# Allegro board EVK2_BM92T70-DEVICE-EVK-101_BRD_REV05_2016-03-18.brd (continued)
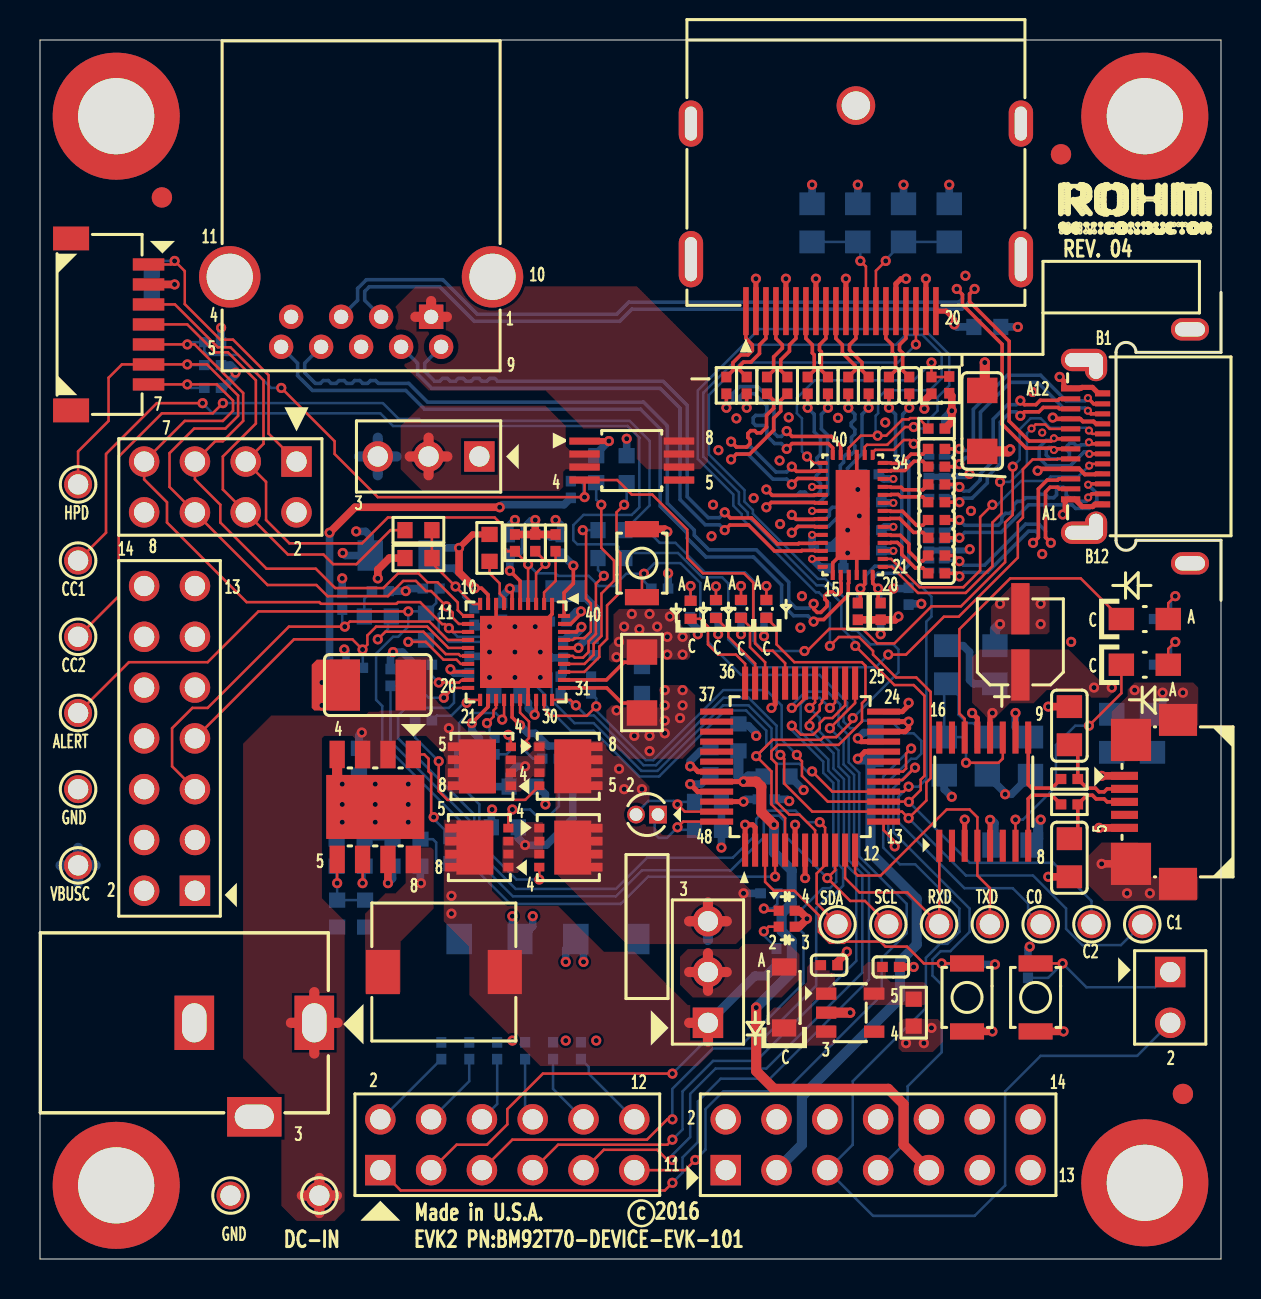
[diagram p0: board, top side]
## Routing (per net, layer and track width the routed paths; a pad name or vN(x,y) marks a point on that pad's centre or on a via; arc(x,y) is an arc through that point) (continued)
D-: length 50
  TOP w0.178: v2(52.47,40.26) 52.48,40.26 U23.B7 ; U23.A7 50.73,41.01 v2(50.7,41.04) 50.56,40.9 49.46,40.9 48.46,41.9 48.46,45.89 46.48,47.87 46.48,48.26 v1(46.73,48.51)
  BOTTOM w0.178: v2(52.47,40.26) 52.37,40.36 52.21,40.36 51.51,39.66 50.36,39.66 49.96,40.06 49.96,40.59 50.31,40.94 50.6,40.94 v2(50.7,41.04) ; v1(46.73,48.51) 46.48,48.26 46.48,47.88 46.1,47.5 29.59,47.5 28.98,46.89 21.72,46.89 20,48.62 16.46,48.62 16.24,48.39 16.24,47.94 U28.2
DEBUG_VBUS_5V: length 5.1
  TOP w0.254: U5.12 47.51,27.17
  BOTTOM w0.381: R66.2 46.16,30.67 46.48,30.35 46.48,28.96 46.67,28.77 C41.2
  vias: v1(47.62,27.3) v1(52.7,28.57) v1(53.59,28.57)
HPDIN: length 110.5
  TOP w0.127: U1.12 20.95,31.76 20.64,32.07 20.64,32.32 v1(20.32,32.64) 19.56,33.4 19.3,33.4 18.8,33.91 18.16,33.91 17.4,33.15 14.38,33.15 13.82,33.71 11.38,33.71 J13.6 6.48,38.61 6.48,40.3 7.71,41.53 9.27,41.53 9.91,42.16 9.91,43.18 8.35,44.74 v1(7.37,44.74) EEPROM-IF.6 4.1,44.74 3.43,44.07 3.43,41.91 1.91,40.39 TP13.1 ; U6.5 37.26,22.05 36.58,22.73 36.58,24.38 v1(35.81,25.15) 36.63,25.96 39.04,25.96 39.18,26.1 39.81,26.1 40.64,26.92 v1(40.64,27.05) ; U27.18 v1(43.8,45.74)
  BOTTOM w0.127: v1(7.37,44.74) 7.4,44.7 R16.2 ; v1(20.32,32.64) 19.94,32.26 19.94,31.37 20.45,30.86 22.73,30.86 23.11,30.48 23.11,30.12 23.52,29.72 24,29.72 24.38,29.34 24.38,29.08 25.27,28.19 25.27,27.69 26.54,26.42 27.68,26.42 29.97,24.13 30.96,24.13 34.26,27.43 35.31,27.43 36.32,26.42 36.32,25.65 v1(35.81,25.15) ; v1(43.8,45.74) 42.89,44.83 35.07,44.83 33.45,43.2 33.45,40.23 35.22,38.46 35.22,37.88 35.65,37.45 35.65,37.27 38.91,34.01 39.27,34.01 40.35,32.93 40.35,31.66 40.59,31.42 40.84,31.42 41.53,30.73 42.67,30.73 42.93,30.48 42.93,29.34 v1(40.64,27.05)
HSS_INPUT: length 3.8
  TOP w0.508: 18.49,40.13 J12.2 ; J12.2 19.43,39.19 ; J12.2 19.43,41.07 ; J12.2 20.37,40.13
RX1+: length 11.7
  TOP w0.178: v1(45.97,34.9) 45.69,35.18 C91.2 ; v1(50.55,35.81) 50.28,36.08 50.28,38.36 50.51,38.6 50.89,38.6 50.97,38.51 U23.A2
  BOTTOM w0.178: U26.4 45.94,34.93 v1(45.97,34.9) 46.18,34.69 47.23,34.69 49.29,36.75 49.94,36.75 50.28,36.41 50.28,36.08 v1(50.55,35.81)
RX1-: length 11.8
  TOP w0.178: v1(49.66,35.81) 49.92,36.08 49.92,38.51 50.36,38.95 50.89,38.95 50.95,39.01 U23.A3 ; C92.2 45.82,34.29 v1(45.97,34.14)
  BOTTOM w0.178: v1(49.66,35.81) 49.92,36.08 49.92,36.26 49.79,36.4 49.43,36.4 47.38,34.34 46.18,34.34 v1(45.97,34.14) 45.68,34.43 U26.5
RX2+: length 12.2
  TOP w0.178: v2(52.4,43.05) 52.69,42.76 U23.B2 ; C85.2 v1(45.97,40.51)
  BOTTOM w0.178: U25.1 45.58,40.12 v1(45.97,40.51) 46.05,40.44 46.49,40.44 46.67,40.62 46.67,42.49 48.37,44.2 50.03,44.2 51.32,42.91 52.26,42.91 v2(52.4,43.05)
RX2-: length 12.2
  TOP w0.178: v2(52.4,42.42) 52.55,42.26 U23.B3 ; v1(45.97,39.75) 45.85,39.62 C86.2
  BOTTOM w0.178: v2(52.4,42.42) 52.26,42.56 51.17,42.56 49.89,43.84 48.52,43.84 47.03,42.35 47.03,40.47 46.63,40.08 46.3,40.08 v1(45.97,39.75) 45.84,39.62 U25.2
RX+: length 39
  TOP w0.178: U24.16 40.04,33.82 40.06,33.79 40.06,33.35 39.94,33.23 39.76,33.23 39.63,33.36 39.44,33.36 39.25,33.17 39.25,32.99 39.36,32.88 39.36,32.65 39.04,32.33 38.86,32.33 38.68,32.51 v1(38.68,32.77)
  BOTTOM w0.178: U28.6 13.24,44.79 13.24,44.32 13.77,43.79 14.02,43.79 14.16,43.93 14.42,43.93 14.56,43.79 14.81,43.79 14.95,43.93 15.2,43.93 15.34,43.79 15.6,43.79 15.74,43.93 15.99,43.93 16.13,43.79 16.39,43.79 16.53,43.93 16.78,43.93 16.92,43.79 18.44,43.79 19.38,42.85 30.18,42.85 31.37,41.66 31.37,37.79 32.72,36.44 32.72,36.19 33.45,35.46 35.82,35.46 37.44,33.85 37.44,32.91 37.8,32.55 38.47,32.55 v1(38.68,32.77)
RX-: length 38.9
  TOP w0.178: U24.17 40.44,33.81 40.42,33.79 40.42,33.2 39.19,31.98 38.79,31.98 v1(38.68,31.88)
  BOTTOM w0.178: v1(38.68,31.88) 38.39,32.17 37.68,32.17 37.08,32.77 37.08,33.7 35.68,35.11 33.3,35.11 32.36,36.05 32.36,36.3 31.01,37.65 31.01,41.51 30.03,42.49 19.23,42.49 18.29,43.43 13.62,43.43 12.88,44.18 12.88,44.79 U28.5
TX1+: length 11
  TOP w0.178: U23.B11 52.59,38.26 v2(52.41,38.08) ; C89.2 v1(45.97,36.96)
  BOTTOM w0.178: U26.1 45.45,36.43 v1(45.97,36.96) 46.24,36.69 47.91,36.69 48.09,36.88 48.09,37.11 48.27,37.29 48.51,37.29 48.69,37.47 48.69,37.71 48.87,37.89 49.11,37.89 49.29,38.07 49.84,38.07 50.01,38.24 50.26,38.24 50.44,38.07 50.69,38.07 50.83,38.21 50.83,38.45 50.97,38.6 51.17,38.6 51.31,38.45 51.31,38.21 51.45,38.07 51.76,38.07 51.94,37.89 52.31,37.89 52.41,37.99 v2(52.41,38.08)
TX1-: length 11
  TOP w0.178: C90.2 v1(45.97,36.07) ; U23.B10 52.46,38.76 v2(52.41,38.72)
  BOTTOM w0.178: U26.2 45.84,35.93 v1(45.97,36.07) 46.24,36.33 48.06,36.33 49.44,37.71 51.61,37.71 51.79,37.53 52.46,37.53 52.85,37.92 52.85,38.28 v2(52.41,38.72)
TX2+: length 10.7
  TOP w0.178: U23.A11 50.98,43.01 50.91,42.94 50.02,42.94 49.8,42.72 49.23,42.72 v1(49.02,42.93) ; v1(45.97,38.61) 45.85,38.73 C87.2
  BOTTOM w0.178: v1(49.02,42.93) 48.82,42.72 48.39,42.72 47.66,42 47.66,39.91 47.02,39.26 47.02,38.96 46.46,38.4 46.18,38.4 v1(45.97,38.61) 45.97,38.62 U25.4
TX2-: length 10.7
  TOP w0.178: C88.2 v1(45.97,37.85) ; v1(49.02,42.16) 49.23,42.37 49.95,42.37 50.16,42.59 50.91,42.59 50.98,42.51 U23.A10
  BOTTOM w0.178: v1(49.02,42.16) 48.82,42.37 48.53,42.37 48.02,41.85 48.02,39.76 47.37,39.12 47.37,38.81 46.61,38.05 46.18,38.05 v1(45.97,37.85) 45.7,38.12 U25.5
TX+: length 28.4
  TOP w0.178: U24.11 38.73,35.81 38.71,35.79 37.94,35.79 37.92,35.76 36.88,35.76 35.58,37.06 34.52,37.06 v1(34.24,37.34)
  BOTTOM w0.178: U28.9 19.24,44.79 19.24,44.39 19.73,43.9 19.98,43.9 20.12,44.04 20.38,44.04 20.52,43.9 20.77,43.9 20.91,44.04 21.17,44.04 21.31,43.9 21.56,43.9 21.7,44.04 21.95,44.04 22.09,43.9 22.35,43.9 22.49,44.04 22.74,44.04 22.88,43.9 31.16,43.9 32.36,42.69 32.36,38.13 33.41,37.07 33.97,37.07 v1(34.24,37.34)
TX-: length 28.5
  TOP w0.178: U24.12 38.76,35.41 38.73,35.43 38.09,35.43 38.06,35.41 36.73,35.41 35.43,36.7 34.49,36.7 v1(34.24,36.45)
  BOTTOM w0.178: U28.8 18.88,44.79 18.88,44.24 19.58,43.54 31.01,43.54 32,42.55 32,37.98 33.27,36.72 33.97,36.72 v1(34.24,36.45)
TYPEC_VBUS: length 32
  TOP w0.178: U1.9 22.41,33.22 22.08,33.55 v1(21.74,33.55)
  TOP w0.203: U23.A9 52.02,42.01 52.15,41.88 52.68,41.88 52.8,41.76 U23.B4 ; U23.A4 51.97,39.51 52.25,39.24 52.75,39.24 52.78,39.26 U23.B9
  TOP w0.229: v1(49.89,39.42) 49.98,39.51 U23.A4 ; U23.A9 50.7,42.01 v1(50.64,42.08)
  TOP w0.305: v1(20.95,35.56) 21.63,36.23 R1.2
  TOP w0.381: v1(20.95,35.56) 20.95,34.33 v1(21.74,33.55)
  TOP w0.508: v1(48.51,40.49) 48.41,40.39 C84.1 ; J1.3 33.4,17.83 ; J1.3 32.46,16.89 ; J1.3 34.34,16.89
  L3_PWR w0.508: 21.97,39.19 J12.1 ; J12.1 21.03,40.13 ; J12.1 21.97,41.07 ; J12.1 22.91,40.13
  BOTTOM w0.381: v1(20.95,35.56) 19.94,35.56 C5.1 20.19,34.54 20.73,34.54 21.72,33.55 v1(21.74,33.55) ; v1(35.18,18.29) R155.1
  BOTTOM w0.508: 1.91,18.81 TP10.1 ; TP10.1 2.78,19.68 ; TP10.1 1.91,20.56 ; TP10.1 1.03,19.68 ; 33.4,15.95 J1.3 ; J1.3 33.4,17.83 ; J1.3 34.34,16.89 ; J1.3 32.46,16.89
  vias: v1(28.96,24.51) v1(29.21,23.5) v1(30.1,23.5)
USB3_VBUS: length 2.4
  TOP w0.508: U28.1 19.56,47.9 ; U28.1 18.77,47.12 ; U28.1 20.35,47.12
USB-PD_XRST: length 69.5
  TOP w0.127: v1(30.2,34.27) 30.1,34.17 SW1.1 ; v1(42.74,20.63) 42.74,20.89 42.18,21.44 U6.13 ; EEPROM-IF.3 6.75,47.74 8.89,45.59 9.52,45.59 11.18,43.94 11.18,40.77 10.29,39.88 11.3,38.86 11.3,36.96 12.47,35.79 16.1,35.79 17.4,37.08 22.73,37.08 23.24,36.58 23.24,35.52 23.37,35.39 R21.1 v1(24.41,34.74) U1.4
  BOTTOM w0.127: v1(30.2,34.27) 30.73,34.8 32.03,34.8 33.02,33.81 33.02,32 33.4,31.62 33.4,30.86 35.05,29.21 38.98,29.21 40.36,27.83 40.36,27.43 40.18,27.25 40.18,26.87 40.51,26.54 40.77,26.54 41.15,26.92 42.55,26.92 43.18,26.29 43.69,26.29 44.07,25.91 44.07,25.27 43.81,25.02 43.56,25.02 42.42,23.88 42.42,20.95 v1(42.74,20.63) ; v1(30.2,34.27) 29.32,34.27 28.7,33.66 27.94,33.66 27.43,34.16 25.91,34.16 25.78,34.29 24.85,34.29 v1(24.41,34.74) ; v1(30.2,34.27) 30.2,33.9 C14.2
USB_HSS: length 72.5
  TOP w0.127: EEPROM-IF.5 v1(7.37,45.74) 7.73,45.74 10.16,43.31 10.16,41.91 9.14,40.89 8.76,40.89 J13.5 7.75,38.99 9.02,37.72 9.02,36.83 11.33,34.52 13.79,34.52 14.76,33.55 17.17,33.55 17.91,34.29 18.92,34.29 19.37,33.84 19.88,33.84 20.89,32.83 20.89,32.45 21.18,32.16 U1.11 ; U6.32 37.26,29.8 36.64,30.42 36.12,30.42 35.76,30.78 35.76,31.76 35.66,31.85 35.66,33.83 35.2,34.29 33.15,34.29 32.36,35.07 32.36,36.48 30.61,38.23 29.59,38.23 28.86,38.95 U3.4 v1(27.23,38.1) 16.89,38.1 14.73,40.26 14.73,40.89 v1(12.06,43.56)
  BOTTOM w0.127: v1(12.06,43.56) 11.56,43.56 9.91,45.21 8.38,45.21 8.22,45.38 R15.2 7.48,45.85 v1(7.37,45.74) ; R45.2 27.01,38.9 27.18,38.73 27.18,38.15 v1(27.23,38.1)
VPP: length 26.8
  TOP w0.254: v1(40.89,25.02) 41.25,25.37 U6.20
  BOTTOM w0.508: J3.3 38.1,5.71 38.1,8.13 43,13.03 43,14.88 43.84,15.72 43.84,18.01 41.53,20.32 41.53,24.73 C31.2 40.93,24.98 v1(40.89,25.02)
N13969648: length 6.5
  TOP w0.127: U1.35 26.65,30.16 26.73,30.07 27.15,30.07 27.43,30.35 27.43,30.89 27.8,31.26 27.8,33.77 v1(28.19,34.16)
  BOTTOM w0.127: v1(28.19,34.16) 27.9,34.46 R102.1
N13969652: length 7.5
  TOP w0.127: v1(27.14,36.45) 27.3,36.28 27.3,33.02 27.54,32.78 27.54,31.37 27.22,31.05 26.73,31.05 26.64,30.96 U1.37
  BOTTOM w0.127: R101.1 v1(27.14,36.45)
N13969713: length 5.2
  TOP w0.178: U1.36 v1(26.92,30.56)
  BOTTOM w0.381: D1.2 26.49,33.18 27.17,33.18 27.81,32.54 27.81,31.15 C19.2 27.65,30.99 27.3,30.99 26.92,30.61 v1(26.92,30.56)
N13970852: length 11.1
  TOP w0.127: v1(28.07,37.72) 28.07,35.56 28.7,34.92 28.7,33.91 28.07,33.28 28.07,31.15 27.68,30.76 27.68,30.22 27.23,29.76 U1.34
  BOTTOM w0.127: v1(28.07,37.72) 27.81,37.97 R103.2
N13970857: length 11.5
  TOP w0.127: v1(29.21,37.72) 28.83,37.34 28.83,35.49 29.01,35.31 29.01,33.34 28.36,32.68 28.36,31.01 27.97,30.62 27.97,30.11 27.22,29.36 U1.33
  BOTTOM w0.127: R104.2 29.34,37.85 v1(29.21,37.72)
N13977100: length 12
  TOP w0.178: U1.25 23.61,27.09 v1(24,26.7)
  BOTTOM w0.381: C6.2 23.91,21.04 v1(24.26,20.7) 25.32,20.7 26.64,22.02 26.64,25.43 26.42,25.65 25.4,25.65 24.77,26.29 24.41,26.29 v1(24,26.7)
N13977548: length 8.6
  TOP w0.127: Q1.4 v1(24.97,18.98)
  BOTTOM w0.127: R2.2 20.95,23.75 21.97,22.73 21.97,20.83 23.82,18.98 v1(24.97,18.98)
N13977559: length 2.4
  TOP w0.127: U1.7 23.21,33.05 22.99,33.27 22.99,33.78 22.48,34.29 R1.1
N13980532: length 2.3
  TOP w0.127: v1(23.42,26.21) 23.55,26.08 Q4.4
  BOTTOM w0.127: v1(23.42,26.21) 23.47,26.16 23.47,25.37 23.33,25.23 R5.2
N13980539: length 9.5
  TOP w0.127: v1(19.94,24.89) 19.94,23.39 20.37,22.96 24.26,22.96 Q3.4
  BOTTOM w0.127: v1(19.94,24.89) 18.76,26.07 R4.2
N13980813: length 7.5
  TOP w0.178: U1.22 22.41,27.61 v1(21.59,26.8)
  BOTTOM w0.381: v1(21.59,26.8) 21.59,26.42 21.97,26.04 21.97,24.26 22.61,23.62 C8.2 23.46,24.26 23.84,24.64 v1(24.26,24.64)
N13982881: length 3.6
  TOP w0.178: v1(26.67,34.67) 26.67,33.78 26.21,33.32 U1.40
  BOTTOM w0.381: C16.2 26.07,35.27 v1(26.67,34.67)
N13982885: length 2.1
  TOP w0.178: v1(27.05,32.38) 27.05,32.27 26.54,31.76 U1.39
  BOTTOM w0.381: C17.2 26.84,32.38 v1(27.05,32.38)
N13982889: length 2.2
  TOP w0.178: v1(27.07,31.61) 26.82,31.36 U1.38
  BOTTOM w0.381: v1(27.07,31.61) 27.07,31.52 26.67,31.11 26.38,31.11 C18.2
N13984358: length 21.8
  TOP w0.127: U1.14 20.39,30.96 19.47,31.88 15.49,31.88 v1(15.24,31.62) 12.45,31.62 8.38,27.56 7.62,27.56 6.6,26.54 6.6,24.64 7.75,23.5
  BOTTOM w0.127: v1(15.24,31.62) 15.11,31.75 R10.1
N13984367: length 6.4
  TOP w0.127: U1.10 21.65,32.76 v1(20.78,33.63) 19.6,34.81 R11B.1 R26.2
  BOTTOM w0.127: R11A.2 21.16,33.11 21.16,33.25 v1(20.78,33.63)
N13984468: length 6.6
  TOP w0.127: U1.16 21.02,30.16 20.93,30.25 20.29,30.25 19.17,31.37 17.27,31.37 v1(16.89,30.99)
  BOTTOM w0.127: v1(16.89,30.99) 17.4,31.5 17.4,31.97 R22.2
N13984472: length 4.4
  TOP w0.127: v1(18.41,30.86) 19.29,30.86 20.18,29.97 20.83,29.97 21.04,29.76 U1.17
  BOTTOM w0.127: R23.2 18.5,30.95 v1(18.41,30.86)
N13984476: length 1.4
  BOTTOM w0.127: R8.1 16.22,33.02 R22.1
N13987789: length 18
  TOP w0.127: J5.7 12.7,30.99 15.62,30.99 v1(16.13,30.48) 16.37,30.72 16.37,31.18 16.81,31.62 19.36,31.62 20.42,30.56 U1.15
  BOTTOM w0.127: v1(16.13,30.48) 16.14,30.47 R18.2
N13987798: length 3.9
  TOP w0.127: R20.1 25.27,34.89 v1(25.27,34.76) 24.81,34.29 U1.3
  BOTTOM w0.127: v1(25.27,34.76) 25.27,34.89 R20.1
N13993860: length 2.9
  TOP w0.127: R37.1 25.78,33.91 25.21,33.33 U1.2
N14001956: length 13.9
  TOP w0.178: U24.19 41.24,33.75 v1(41.02,33.53) 41.02,32.93 R28.2 ; v1(42.45,42.57) C93.2
  BOTTOM w0.178: R28.2 40.89,33.4 v1(41.02,33.53) 41.03,33.53 41.29,33.78 41.29,34.18 41.75,34.65 42.88,34.65 43.09,34.86 43.09,39.72 42.78,40.03 42.78,42.24 v1(42.45,42.57)
N14001966: length 13.9
  TOP w0.178: U24.20 41.64,33.8 v1(41.91,33.53) 41.91,32.93 R30.2 ; v1(43.47,42.57) C94.2
  BOTTOM w0.178: v1(43.47,42.57) 43.14,42.24 43.14,40.18 43.45,39.87 43.45,34.71 43.02,34.29 41.9,34.29 41.64,34.04 41.64,33.79 v1(41.91,33.53) 42.04,33.4 R30.2
N14002328: length 13.1
  TOP w0.127: v1(44.58,44.83) R53.1 45.44,44.11 R50.2 ; U24.1 38.68,39.81 v1(38.35,40.13)
  BOTTOM w0.127: v1(38.35,40.13) 38.1,40.39 38.1,42.04 37.85,42.29 37.85,43.05 38.73,43.94 43.69,43.94 v1(44.58,44.83)
N14002696: length 2.6
  TOP w0.178: C85.1 44.15,40.25 43.56,40.25 43.1,39.79 42.57,39.79 42.55,39.81 U24.34
N14002704: length 2.6
  TOP w0.178: C86.1 44.15,39.89 43.7,39.89 43.25,39.43 42.57,39.43 42.55,39.41 U24.33
N14002742: length 2.4
  TOP w0.178: U24.31 42.53,38.61 42.55,38.59 43.06,38.59 43.18,38.47 44.15,38.47 C87.1
N14002762: length 2.4
  TOP w0.178: C88.1 44.15,38.11 43.03,38.11 42.91,38.23 42.56,38.23 42.54,38.21 U24.30
N14002778: length 3.1
  TOP w0.178: U24.25 42.53,36.21 42.55,36.19 43.02,36.19 43.45,35.76 43.45,35.38 43.92,34.91 44.15,34.91 C91.1
N14002782: length 2.7
  TOP w0.178: C90.1 44.15,36.33 43.68,36.33 42.98,37.03 42.5,37.03 42.48,37.01 42.14,37.01
N14002790: length 2.7
  TOP w0.178: C89.1 44.15,36.69 43.83,36.69 43.13,37.39 42.53,37.39 42.51,37.41 U24.28
N14002806: length 3.1
  TOP w0.178: U24.24 42.52,35.81 42.55,35.83 42.87,35.83 43.09,35.61 43.09,35.23 43.77,34.56 44.15,34.56 C92.1
N14003274: length 16.8
  TOP w0.127: U23.A8 50.48,41.51 50.27,41.73 49.78,41.73 v2(49.58,41.53) ; v1(48.01,38.86) 48.08,38.79 48.08,37.29 47.62,36.83 47.62,34.65 46.29,33.31 43.9,33.31 42.6,34.61 U24.21
  BOTTOM w0.127: v1(48.01,38.86) 48.51,38.86 49.35,39.7 49.35,41.3 v2(49.58,41.53)
N14003282: length 15.7
  TOP w0.127: v1(47.62,37.72) 47.01,37.1 47.01,34.43 46.17,33.59 43.98,33.59 42.56,35.01 U24.22 ; v2(52.46,39.67) 52.55,39.76 U23.B8
  BOTTOM w0.127: v1(47.62,37.72) 47.88,37.72 49.07,38.91 50.31,38.91 50.53,39.13 51.92,39.13 v2(52.46,39.67)
N14006162: length 5.5
  TOP w0.127: v1(31.88,22.73) 32.24,22.37 U6.47
  BOTTOM w0.127: X1.2 29.8,22.28 30.43,22.91 31.7,22.91 v1(31.88,22.73) 32,22.86 C34.1
N14006166: length 5.5
  TOP w0.127: v1(31.88,21.59) 32.16,21.87 U6.48
  BOTTOM w0.127: C35.1 32,21.46 v1(31.88,21.59) 31.34,21.06 30.94,21.06 30.73,21.26 30.73,22.06 X1.1
N14006320: length 14.9
  TOP w0.127: SW2.1 v1(45.09,14.78) 44.2,14.78 43.36,15.62 42.28,15.62 42.02,15.88 40.27,15.88 40.21,15.81 39.5,15.81 38.95,16.36 38.95,17.19 37.72,18.41 36.7,18.41 36.26,18.86 U6.3
  BOTTOM w0.127: C37.2 45.13,14.73 v1(45.09,14.78)
N14006340: length 1.4
  TOP w0.127: D13.2 v1(35.05,33.66)
  BOTTOM w0.127: R41.1 v1(35.05,33.66)
N14006408: length 1.4
  TOP w0.127: D12.2 v1(33.8,33.63)
  BOTTOM w0.127: R42.1 33.78,33.61 v1(33.8,33.63)
N14006432: length 1.5
  TOP w0.127: D11.2 v1(32.53,33.66)
  BOTTOM w0.127: v1(32.53,33.66) 32.51,33.63 R43.1
N14006508: length 1.4
  TOP w0.127: D10.2 v1(36.32,33.66)
  BOTTOM w0.127: R44.1 v1(36.32,33.66)
N14006520: length 3.8
  TOP w0.127: U6.34 36.26,29.84 35.5,30.6 35.5,31.61 D13.1
N14006532: length 5.1
  TOP w0.127: D11.1 33.01,32.02 33.4,31.62 33.4,30.73 33.91,30.23 34.8,30.23 35.26,29.77 U6.36
N14006544: length 20.6
  TOP w0.127: U6.8 38.76,21.44 37.97,22.22 37.47,22.22 36.83,22.86 36.83,24.77 36.57,25.02 36.57,25.4 36.89,25.71 39.93,25.71 41.1,26.88 41.1,27.8 41.27,27.97 41.27,29.67 41.1,29.84 37.72,29.84 36.83,30.73 36.83,31.55 D10.1
N14006584: length 2.1
  TOP w0.254: U6.46 v1(35.18,22.87)
  BOTTOM w0.381: C36.2 35.29,22.99 v1(35.18,22.87)
N14006592: length 4.1
  TOP w0.127: U6.35 35.76,29.77 34.42,31.11 34.42,31.44 D12.1
N14006890: length 53.8
  TOP w0.127: U6.18 43.15,24.37 43.31,24.53 43.31,25.27 v1(43.56,25.53)
  BOTTOM w0.127: v1(43.56,25.53) 42.16,24.13 42.16,20.57 43,19.74 43.76,19.74 45.97,17.53 45.97,16.37 45.37,15.76 45,15.76 44.3,15.06 44.3,12.55 40.64,8.89 40.64,5.71 J3.5 41.66,2.16 46.74,2.16 48.26,3.68 48.26,8.38 50.04,10.16 54.86,10.16 J4.2
N14006894: length 26.6
  TOP w0.127: v1(43.75,24.57) 43.75,24.57 43.13,23.95 42.95,23.95 42.87,23.87 U6.17
  BOTTOM w0.127: v1(43.75,24.57) 43.7,24.57 42.67,23.55 42.67,21.34 46.48,17.53 46.48,16.36 45.52,15.39 45.03,15.39 44.63,14.99 44.63,14.17 45.09,13.72 45.09,10.34 43.38,8.64 43.38,5.92 J3.7
N14013017: length 24
  TOP w0.127: R26.1 17.53,36.45 15.82,34.75 14.66,34.75 14.17,35.23 12.4,35.23 9.14,38.48 9.14,40.13 10.79,41.78 10.79,43.94 9.4,45.34 8.76,45.34 7.37,46.74 EEPROM-IF.4
N14014782: length 9.6
  TOP w0.127: SW3.1 v1(51.13,14.78)
  BOTTOM w0.127: J4.1 55.75,13.59 52.32,13.59 v1(51.13,14.78) 50.41,14.06 C38.2
N14025699: length 2.5
  TOP w0.127: LED3.A 56.42,32.8 v1(56.77,33.15)
  BOTTOM w0.127: R46.1 56.55,32.93 v1(56.77,33.15)
N14025733: length 2.5
  TOP w0.127: v1(56.77,30.86) 56.42,30.51 LED4.A
  BOTTOM w0.127: R47.1 56.55,30.65 v1(56.77,30.86)
N14025825: length 4.6
  TOP w0.178: C44.2 51.89,25.3 R48.1 52.35,23.55 52.78,23.55 52.96,23.36 53.22,23.36 53.36,23.51 J11.2
N14025849: length 4.6
  TOP w0.178: C45.2 51.89,21.44 R49.1 52.35,23.19 52.63,23.19 52.81,23.01 53.22,23.01 53.36,22.86 J11.3
N14025897: length 11.7
  TOP w0.127: U5.11 48.14,25.03 47.93,24.82 v1(46.3,24.82)
  BOTTOM w0.127: v1(46.3,24.82) 46.3,25.91 46.11,26.1 C46.2 45.21,28.64 R66.1 45.93,28.18 45.93,27.22 46.35,26.8 46.67,26.8 R25.2
N14025905: length 11.9
  TOP w0.127: v1(52.45,26.67) 54.07,28.29 LED4.C ; U5.7 v1(48.78,21.97)
  BOTTOM w0.127: v1(48.78,21.97) 49.15,21.97 50.8,23.62 50.8,25.7 51.77,26.67 v1(52.45,26.67)
N14025913: length 15.5
  TOP w0.127: U5.14 46.24,27.02 45.97,27.28 45.97,31.5 48.51,34.04 52.04,34.04 LED3.C
N14025917: length 1.1
  TOP w0.381: J11.1 v1(53.09,24.16)
N14026089: length 4.3
  TOP w0.178: R48.2 50.6,23.55 49.59,23.55 49.41,23.73 U5.9
N14026093: length 4.3
  TOP w0.178: R49.2 50.59,23.19 49.59,23.19 49.41,23.01 U5.8
N14033878: length 15.6
  TOP w0.127: EEPROM-IF.1 6.56,49.74 v1(6.73,49.91) 7.24,49.4 7.24,47.75 9.02,45.97 9.65,45.97 11.43,44.2 11.43,41.27 J13.1
  BOTTOM w0.127: R12.1 6.06,49.91 v1(6.73,49.91)
N14048931: length 4.3
  BOTTOM w0.127: R70.1 17.06,6.99 J6.2
N14049113: length 3.8
  BOTTOM w0.127: J6.4 21.46,8.89 R71.1
N14049117: length 3.3
  BOTTOM w0.127: R72.1 22.86,7.75 J6.6
N14049121: length 3.2
  BOTTOM w0.127: R73.1 24.26,7.37 J6.8
N14049125: length 3.6
  BOTTOM w0.127: J6.10 25.65,8.51 R74.1
N14049129: length 4.1
  BOTTOM w0.127: R75.1 27.44,9.61 27.44,9.26 J6.12
N14095594: length 6
  TOP w0.127: v1(23.62,22.48) 23.42,22.28 Q2.4
  BOTTOM w0.127: R3.2 25.95,22.64 25.53,22.23 24.77,22.23 24.51,22.48 v1(23.62,22.48)
N14205448: length 6.3
  TOP w0.127: v1(42.29,49.91) 41.8,49.42 U27.14
  BOTTOM w0.127: v1(42.29,49.91) 42.29,49.97 R65.1 R68.2
N14205650: length 5.9
  TOP w0.127: U27.13 41.3,49.63 v1(41.02,49.91)
  BOTTOM w0.127: R69.1 R76.2 41.02,50.74 v1(41.02,49.91)
N14213989: length 5.2
  TOP w0.127: v1(19.68,22.1) 19.56,22.23 19.56,24.26 19.43,24.38 19.43,25.02 19.22,25.23 U2.1
  BOTTOM w0.127: v1(19.68,22.1) 19.68,22.01 R64.1
N14214029: length 2.6
  BOTTOM w0.127: R64.2 19.98,19.77 19.81,19.94 19.81,20.83 19.65,20.99 C57.2
N14214033: length 0.9
  BOTTOM w0.381: v1(19.05,18.8) 19.02,18.82 C57.1
N14214153: length 4.3
  TOP w0.127: U2.5 v1(14.86,18.8)
  BOTTOM w0.127: R62.2 14.83,18.82 v1(14.86,18.8) C58.2 R61.1
N14214231: length 2.1
  TOP w0.127: 16.13,19.98 v1(16.13,18.8)
  BOTTOM w0.127: v1(16.13,18.8) 16.23,18.9 C56.2
N14225491: length 2.1
  TOP w0.127: v1(36.2,17.53) 36.3,17.42 D14.1
  BOTTOM w0.127: R155.2 36.87,17.75 36.64,17.53 v1(36.2,17.53)
N14225495: length 2
  TOP w0.127: v1(36.2,16.38) 36.43,16.62 D14.2
  BOTTOM w0.127: v1(36.2,16.38) 36.2,16.18 36.83,15.54 R156.2
N139693328: length 4.9
  TOP w0.127: U1.24 23.21,27.07 v1(23.11,26.97)
  BOTTOM w0.127: R2.1 20.95,26.8 21.46,27.3 22.78,27.3 v1(23.11,26.97)
N142140490: length 1.4
  BOTTOM w0.127: C56.1 R63.2
N1396933210: length 3.8
  TOP w0.127: U1.26 24.01,27.32 24.45,26.88 24.45,26.05 24.28,25.88 v1(24.28,25.65)
  BOTTOM w0.127: R3.1 24.65,25.02 24.28,25.39 v1(24.28,25.65)
N1396933211: length 2.8
  TOP w0.127: v1(21.34,27.81) 21.48,27.96 U1.21
  BOTTOM w0.127: v1(21.34,27.81) 21.21,27.81 20.57,27.18 19.85,27.18 R4.1
N1396933213: length 2.2
  TOP w0.127: v1(22.35,26.8) 22.68,27.12 22.68,27.43 22.81,27.56 U1.23
  BOTTOM w0.127: v1(22.35,26.8) 22.48,26.67 22.48,26.33 R5.1

## Copper pours and planes (outline as drawn; the poured copper is in the pictures)
3V3 on BOTTOM: 56.01,29.46 54.48,29.46 54.1,29.84 51.56,29.84 51.18,30.23 51.18,31.37 52.07,32.26 55.88,32.26 56.01,32.13
3V3 on L3_PWR: 46.86,20.32 45.85,21.34 45.85,22.99 47.88,25.02 47.88,27.05 48.9,28.07 48.9,28.83 51.18,31.11 51.82,31.11 52.7,30.23 52.7,21.21 51.82,20.32
5V_VSVR on TOP (solid shape): 22.67,19.22 20.82,19.22 20.82,19.39 20.27,19.39 20.27,19.81 20.82,19.81 20.82,20.04 20.27,20.04 20.27,20.46 20.82,20.46 20.82,20.69 20.27,20.69 20.27,21.11 20.82,21.11 20.82,21.34 20.27,21.34 20.27,21.76 20.82,21.76 20.82,21.92 22.67,21.92
5V_VSVR on TOP: 20.19,21.97 20.19,16.89 21.46,15.62 21.46,13.21 25.02,9.65 32.89,9.65 33.66,10.41 33.66,12.19 33.21,12.64 32.58,12.64 32.51,12.7 32.38,12.7 29.72,15.37 28.19,15.37 25.91,17.65 23.37,17.65 22.61,18.41 22.61,21.97
5V_VSVR on BOTTOM: 6.35,38.73 6.35,17.02 9.14,14.22 20.83,14.22 21.59,14.99 21.59,17.78 20.95,18.41 17.27,18.41 17.14,18.29 17.14,16.89 14.22,16.89 14.22,21.97 14.61,22.35 14.61,28.57 14.1,29.08 14.1,36.45 14.35,36.7 16.51,36.7 17.02,36.2 20.45,36.2 20.95,35.69 20.95,33.91 22.35,32.51 24.77,32.51 24.77,33.91 23.37,33.91 22.99,34.29 22.99,36.7 20.95,38.73 18.67,38.73 18.16,39.24 18.16,40.64 16.89,41.91 7.49,41.91 5.97,43.43 5.97,48.39 4.83,48.39 3.43,46.99 3.43,41.66
19V_ADAPTER on TOP (solid shape): 22.8,23.29 20.95,23.29 20.95,23.45 20.4,23.45 20.4,23.87 20.95,23.87 20.95,24.1 20.4,24.1 20.4,24.52 20.95,24.52 20.95,24.75 20.4,24.75 20.4,25.17 20.95,25.17 20.95,25.4 20.4,25.4 20.4,25.82 20.95,25.82 20.95,25.99 22.8,25.99
19V_ADAPTER on TOP: 15.75,24.51 15.75,26.04 15.62,26.16 14.22,26.16 14.1,26.04 14.1,18.03 15.24,16.89 15.24,2.41 14.73,1.91 12.83,1.91 12.06,2.67 12.06,8.13 10.16,10.03 10.16,25.78 11.56,27.18 16.26,27.18 16.45,27.37 16.95,27.37 17.02,27.43 17.78,27.43 17.78,30.1 19.43,30.1 19.56,29.97 19.56,28.19 21.34,26.42 22.23,26.42 22.73,25.91 22.73,23.24 20.19,23.24 20.19,25.27 19.3,26.16 18.03,26.16 17.78,25.91 17.78,24.51
19V_ADAPTER on L3_PWR: 21.72,27.81 24.64,27.81 25.02,27.43 25.02,26.92 26.16,25.78 26.16,22.73 25.53,22.1 23.5,22.1 23.24,22.35 23.24,22.73 21.84,24.13 21.84,24.64 21.34,25.15 20.45,25.15 19.94,25.65 19.94,26.54 20.24,26.85 20.75,26.85
GND on TOP: 28.57,29.84 28.93,29.84 29.13,30.05 31.04,30.05 31.11,29.97 32.38,29.97 32.51,30.1 32.51,31.24 32,31.75 32,32.26 31.75,32.51 28.96,32.51 28.45,32 28.45,29.97
GND on BOTTOM: 28.7,29.21 32.38,29.21 32.51,29.34 32.51,31.5 31.24,32.77 29.46,32.77 28.32,31.62 28.32,30.35 27.3,30.35 27.18,30.23 27.18,28.83 28.32,28.83
GND on L2_GND: 0.64,60.33 58.42,60.33 58.42,45.97 55.25,45.97 53.97,46.43 53.17,45.34 53.17,35.81 51.82,35.81 50.55,34.54 48.51,34.54 44.07,30.1 42.42,30.1 41.08,31.43 39.56,31.43 38.35,30.23 37.85,30.23 37.85,29.21 37.34,28.7 32.89,28.7 32.51,29.08 30.99,29.08 30.61,28.7 28.7,28.7 28.32,28.32 28.32,27.36 27.43,26.47 27.43,22.23 26.54,21.34 19.43,21.34 19.18,21.59 19.18,23.88 18.29,24.77 18.29,27.3 15.88,29.72 13.46,29.72 13.21,29.46 13.21,15.49 13.59,15.11 27.94,15.11 32.77,10.29 32.77,0.64 0.64,0.64 ; 3 cut-outs
GND_SIGNAL on TOP (solid shape): 16,27.43 13.72,27.43 13.59,27.56 13.59,29.72 13.84,29.97 16,29.97
GND_SIGNAL on TOP: 47.56,32.7 47.56,31.5 47.82,31.24 50.36,31.24 50.48,31.37 50.48,33.53 50.36,33.66 48.51,33.66
GND_SIGNAL on TOP: 32.77,25.65 32.13,25.02 29.34,25.02 28.45,25.91 28.45,26.8 28.32,26.92 28.32,27.43 28.57,27.69 28.93,27.69 29.03,27.58 30.99,27.58 30.99,28.57 31.11,28.7 32.26,28.7 32.77,28.19
GND_SIGNAL on TOP: 53.59,24.89 55.5,24.89 55.5,20.83 53.09,20.83 52.45,20.19 52.45,18.67 53.21,17.91 57.78,17.91 57.91,18.03 57.91,19.3 55.63,19.3 55.63,26.67 57.91,26.67 57.91,28.57 57.66,28.83 54.74,28.83 53.59,27.69
GND_SIGNAL on BOTTOM: 28.7,28.7 32.38,28.7 32.38,26.42 30.99,25.02 30.23,25.02 28.57,26.67 28.57,27.3 28.32,27.56 28.32,28.32
GND_SIGNAL on L2_GND: 13.72,29.34 15.75,29.34 17.91,27.18 17.91,24.64 18.8,23.75 18.8,21.46 19.18,21.08 26.67,21.08 27.81,22.23 27.81,26.39 28.57,27.15 28.57,28.14 28.88,28.45 30.73,28.45 31.11,28.83 32.38,28.83 32.77,28.45 37.47,28.45 38.1,29.08 38.1,29.97 38.48,29.97 39.69,31.18 40.98,31.18 42.32,29.84 44.2,29.84 48.51,34.16 50.55,34.16 51.18,34.8 58.29,34.8 58.42,34.67 58.42,0.64 33.15,0.64 33.15,10.67 28.32,15.49 13.97,15.49 13.59,15.88 13.59,29.21 ; 1 cut-out
V3P3 on TOP: 44.89,12 43.12,12 42.93,11.81 42.93,10.54 43.12,10.35 44.64,10.35 45.15,10.86 45.15,11.75
V3P3 on BOTTOM: 19.81,10.67 28.19,10.67 28.32,10.79 28.32,11.05 28.19,11.18 19.94,11.18 19.81,11.05
V3P3 on L3_PWR: 0.64,0.64 0.64,35.43 14.35,35.43 15.37,34.42 17.27,34.42 17.78,33.91 19.94,33.91 20.07,33.78 20.07,33.38 19.94,33.25 19.94,32.77 19.43,32.26 19.43,30.86 21.46,28.83 21.46,27.81 20.75,27.1 20.12,27.1 19.68,26.67 19.68,25.53 20.32,24.89 21.21,24.89 21.59,24.51 21.59,24 22.99,22.61 22.99,22.23 23.37,21.84 25.65,21.84 26.8,22.99 30.48,22.99 33.02,25.53 34.42,25.53 36.58,23.37 38.61,23.37 38.99,23.75 38.99,24.77 37.47,26.29 37.47,28.19 36.58,29.08 34.29,29.08 33.91,29.46 31.88,29.46 27.3,34.04 24.89,34.04 24.51,34.42 24.51,35.26 26.29,37.03 26.29,40.26 25.15,41.4 17.78,41.4 17.14,42.04 7.87,42.04 6.73,43.18 6.73,45.85 7.75,46.86 10.79,46.86 13.46,49.53 36.32,49.53 36.7,49.91 36.7,53.21 37.72,54.23 46.23,54.23 47.37,53.09 47.37,47.75 46.23,46.61 46.23,42.04 45.47,41.27 44.7,41.27 44.07,40.64 44.07,34.16 45.21,33.02 46.74,33.02 47.12,33.4 48.26,33.4 49.15,34.29 49.91,34.29 51.19,35.57 53.23,35.57 54.16,34.81 55.25,35.31 58.42,35.31 58.42,0.64 ; 3 cut-outs
VIN on TOP: 37.97,15.24 37.97,13.97 37.08,13.08 32.64,13.08 32,13.72 32,15.11 32.38,15.49 34.92,15.49 35.18,15.75 37.47,15.75
DEBUG_VBUS_5V on TOP: 46.99,30.48 51.44,30.48 52.96,28.96 53.59,28.96 53.85,28.7 53.85,28.32 53.59,28.07 52.58,28.07 52.2,28.45 50.34,28.45 49.68,27.79 48.49,27.79 47.62,26.92 47.62,25.27 47.37,25.27 47.37,27.05 46.61,27.81 46.61,30.1
DEBUG_VBUS_5V on BOTTOM: 51.56,27.05 51.56,28.07 48.77,28.07 48.26,27.56 48.26,27.05 48.13,26.92 47.24,26.92 46.99,27.18 46.99,29.08 47.24,29.34 53.98,29.34 54.23,29.08 54.23,26.67 53.09,26.67 52.7,27.05
HSS_INPUT on TOP: 27.94,40.39 26.54,40.39 26.29,40.64 26.29,41.66 25.27,42.67 19.05,42.67 18.03,41.66 18.03,39.5 19.18,38.35 25.91,38.35 26.16,38.61 26.16,39.37 26.29,39.5 27.94,39.5
TYPEC_VBUS on TOP (solid shape): 27.57,25.82 28.12,25.82 28.12,25.4 27.57,25.4 27.57,25.17 28.12,25.17 28.12,24.75 27.57,24.75 27.57,24.52 28.12,24.52 28.12,24.1 27.57,24.1 27.57,23.87 28.12,23.87 28.12,23.45 27.57,23.45 27.57,23.29 25.72,23.29 25.72,25.99 27.57,25.99
TYPEC_VBUS on TOP (solid shape): 27.57,21.76 28.12,21.76 28.12,21.34 27.57,21.34 27.57,21.11 28.12,21.11 28.12,20.69 27.57,20.69 27.57,20.46 28.12,20.46 28.12,20.04 27.57,20.04 27.57,19.81 28.12,19.81 28.12,19.39 27.57,19.39 27.57,19.22 25.72,19.22 25.72,21.92 27.57,21.92
TYPEC_VBUS on TOP: 25.78,25.91 25.78,19.3 29.34,15.75 34.8,15.75 35.56,16.51 35.56,18.41 32.77,21.21 31.11,21.21 30.48,21.84 30.48,23.62 28.96,25.15 28.7,25.15 28.32,25.53 28.32,25.65 28.19,25.78 28.19,25.91
TYPEC_VBUS on BOTTOM: 35.05,14.48 35.05,17.27 33.78,18.54 30.35,18.54 29.21,17.4 29.21,14.48 28.7,13.97 8.38,13.97 4.32,18.03 4.32,20.07 3.17,21.21 1.14,21.21 0.64,20.7 0.64,14.86 7.11,8.38 15.88,8.38 19.18,11.68 32.26,11.68
TYPEC_VBUS on L3_PWR: 26.29,26.04 25.27,27.05 25.27,27.43 24.64,28.07 22.61,28.07 19.68,30.99 19.68,32.13 20.19,32.64 20.19,33.15 20.32,33.27 20.32,33.91 20.07,34.16 17.91,34.16 17.4,34.67 15.49,34.67 14.48,35.69 0.64,35.69 0.64,60.33 58.42,60.33 58.42,45.97 55.25,45.97 54.48,46.46 53.6,46.23 53.6,46.48 53.34,46.48 53.34,43.69 53.02,43.37 53.02,37.15 52.83,36.96 52.2,36.96 49.91,34.67 49.15,34.67 48.13,33.66 46.99,33.66 46.61,33.27 45.34,33.27 44.32,34.29 44.32,40.39 44.96,41.02 45.59,41.02 46.48,41.91 46.48,46.48 47.88,47.88 47.88,53.34 46.61,54.61 37.21,54.61 36.32,53.72 36.32,50.04 36.07,49.78 13.08,49.78 10.41,47.12 7.37,47.12 6.35,46.1 6.35,43.18 7.75,41.78 17.27,41.78 17.91,41.15 25.02,41.15 26.04,40.13 26.04,37.13 24.26,35.36 24.26,34.29 24.77,33.78 27.18,33.78 31.75,29.21 33.78,29.21 34.16,28.83 36.32,28.83 37.21,27.94 37.21,26.16 38.73,24.64 38.73,23.88 38.61,23.75 36.7,23.75 34.67,25.78 32.89,25.78 30.35,23.24 26.67,23.24 26.29,23.62 ; 2 cut-outs
USB3_VBUS on TOP: 33.02,39.5 30.35,39.5 29.84,40.01 29.84,41.15 29.46,41.53 27.18,41.53 25.27,43.43 19.43,43.43 17.78,45.09 17.78,47.62 18.8,48.64 29.84,48.64 33.4,45.09 33.4,39.88
N13977100 on TOP: 23.11,21.08 23.11,19.3 23.88,19.3 24.13,19.56 24.13,19.94 24.26,20.07 25.15,20.07 25.15,21.84 24,21.84 24,21.21 23.88,21.08
N13980813 on TOP: 23.24,25.15 23.24,23.37 24,23.37 24.43,23.8 24.43,23.95 24.61,24.13 25.27,24.13 25.27,25.91 24.64,25.91 24.64,25.43 24.36,25.15
N14025917 on BOTTOM: 56.77,25.78 56.77,24 56.52,23.75 51.69,23.75 51.44,24 51.44,25.53 51.69,25.78
N14214033 on TOP: 16.26,17.27 17.27,18.29 17.78,18.29 18.29,18.8 18.29,20.57 19.56,20.57 19.68,20.45 19.68,17.53 18.03,15.88 18.03,13.34 16.26,13.34
N14225303 on TOP: 39.75,14.73 39.75,12.95 38.73,12.95 38.61,12.83 38.61,11.68 39.75,11.68 39.75,10.79 39.62,10.67 36.58,10.67 36.32,10.92 36.32,12.19 36.7,12.57 37.08,12.57 38.35,13.84 38.35,14.61 38.61,14.86 39.62,14.86
N14225329 on TOP: 42.29,14.1 42.29,14.86 41.4,14.86 41.15,14.61 41.15,12.95 41.4,12.7 44.2,12.7 44.32,12.83 44.32,13.72 44.2,13.84 42.55,13.84

## Text on the board
Ref Des/Silkscreen Top: EVK2 PN:BM92T70-DEVICE-EVK-101 | Made in U.S.A. | c 2016 | REV. 04
L2_GND: L2_GND
L3_PWR: L3_PWR
DIMENSION: X2
LOGO_OUTLINE_M: SHEET:
User.7: ASSEMBLY | SECONDARY-SIDE | 2 OF 2
User.9: 3 | 5 | 6 | 8 | 4 | 17 | 24 | 16 | 2 | LED7 | LED0 | 32 | 9 | 1 | 25
User.10: 14. Rounding is allowed on 90 degree corners with the size of | 12. Inside corners should be rounded-off | 13. Changes to board geometries and apertures are not | 10. Bow and Twist | 11. Inspection | standard routing bit. | allowed unless they are approved by customer. | 4. Drilling | 5. Finish | 9. Packaging | 8. Cleanliness | 7. Electrical Test | 3. Soldermask | photoimageable soldermask, 003 max. thickness. | Soldermask over bare copper. | Soldermask is allowed in via holes. | Bow and twist to be .007 IN/IN or .090 max according to IPC-A-600D. | NOTES: | 2. Material | 6. Silkscreen | to conduct a thorough review of the artwork and media for | writing (in advance of manufacturing) of any changes, revisions,or | 1. Specifications. | as meaxured by the omega meter 600SMD. | A. All hole diameters are finished sizes. | B. All hole to be +/- .003 from true position unless otherwise specified. | C. All hole diameters to be +/- .003 unless otherwise specified. | D. An NC drill file has been supplied - see drill table. | A. Plate thru with copper .0010 min to .002 max. thickness drill size | dimension apply after plating. | B. Use gold immersion over nickel. | C. Finished boards shall not have nicks, | scratches, voids, exposed copper, poor plating, all misdrilled holes. | manufacturability in the supplier's process compliance to all | A. Boards shall be free of fiber glass dust or any other foreign material. | B. Finished boards must conform to 0.01 MG/IN max NAcL ionic contamination | A. All boards shall be 100% electrically tested for opens/short at 10 volts. | MIL-SPEC boards to be tested at 40 volts. | B. Apply test stamp in non-legend area on solder side of PCB. | C. Test is required on both sides of the board. | Solder mask both sides with (green color) liquid | A. FR4. | B. Color to be opaque. | A. Silkscreen using white non-conductive epoxy or equivalent (both sides). | B. No silkscreen allowed on exposed lands. | C. Silkscreen must be a minimum of 3mm away form fiducial marks. | D. Minimum clearance between silkscreen legend and vias, pads, or holes | to be .005. | E. Silkscreen is allowed in via holes. | There shall be a max of 25 units per package, individually wrapped, | and shipped in cardboard cratons with sufficient surrounding | material to prevend shipping damage. | A.Automatic optical inspection of all layers required. | B.The impedance should be controlled by stackup layer. | gerber and drill data when applicable. | A. Fabricate IAW  IPC600, latest revision. | B. Producibility study - It is the respondsibility  of the supplier | corrections made or recommendations to ensure conformance to | D. This drawing is to be used in conjunction with the provided | E. All notes are "Unless Otherwise Specified." | standards, and of  any specifications that  cannot be met. | applicable specifications. Customer must be advised in
User.11: RADIUS | FULL | DETAIL A | .208" | (REF) | 0 | .104" | .080" | TYP. | (4x) 0.125 +/-0.003 NPTH | REF DETAIL "A"(32X) | (3x) 0.040 FIDUCIALS WITH 0.120 MASK CLEARANCE
User.12: LAYER STACKING DETAIL | Total Overal Thickness: | Ref. Layer | Material Type | 2 | 3 | Layer # | Solder Mask | Plating | 1 | 4 | FR4 | Layer | Type | TOP | GND | PWR | BOT | Copper | Weight | (Oz) | 0.5 | Material Ordering Info (used in lieu of Fasttrak data) | Panel Size | Number Up | Number of Parts Due | Prepregs Construction Added? | Material Ply Specified | Material Type (ie Nelco-29, 370 HR, ...) | 64.8 +/- 10% | Thickness | (Mils) | 1.2 | 0.7 | 1.4 | SIG | Material | Type - Ply | Prepreg | Core | Dielectric | 4.4 | 47 | 62.00+/-10% | 1.35 | 0.65 | Finished | Mils | Line | 7 | Diff. Gap | ______ | 58.00 | Impedance | Required | (Ohms) | 85
User.35: FIGURE | SIZE | 8.0 | 10.0 | 25.0 | 28.0 | 40.0 | 91.0 | 150.0 | 56.0 | 51.181x27.559 | 59.0x28.0 | 67.0x24.0 | 74.803x27.559 | 77.0x48.0 | 87.0x24.0 | DRILL CHART: TOP to BOTTOM | ALL UNITS ARE IN MILS | TOLERANCE | +0.0/-8.0 | +3.0/-3.0 | +2.0/-2.0 | PLATED | NON-PLATED | QTY | 20 | 331 | 2 | 9 | 71 | 4 | 1
